# Altium PCB PCB1.PcbDoc (part 1 of 2)
Units mil, origin at the board's own origin, x right, y up, seen from the top; angles counter-clockwise.
Board outline 4595 x 3140.77 mil, 4 copper layers (Top Layer, layer 2, layer 3, Bottom Layer), stack 61.811 mil thick; 97 components, 77 nets, 454 pads, 209 vias.
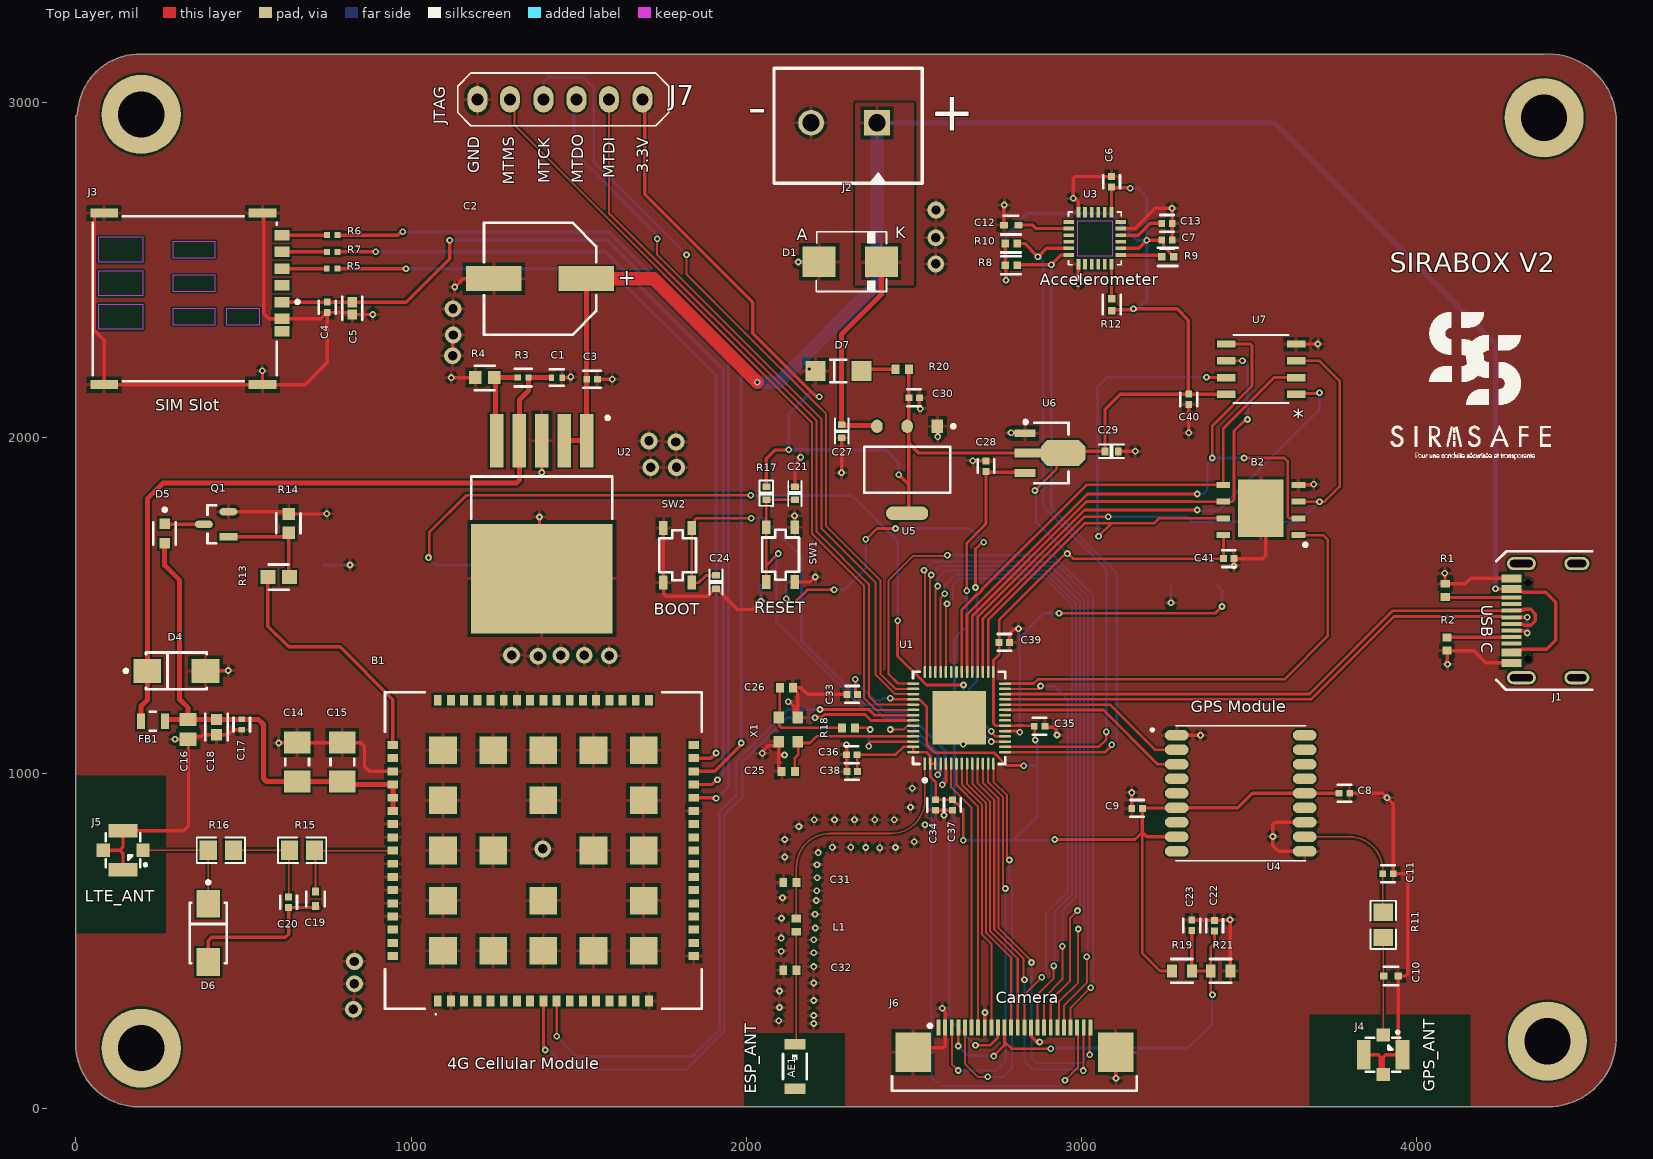
[diagram p0: Top Layer view]
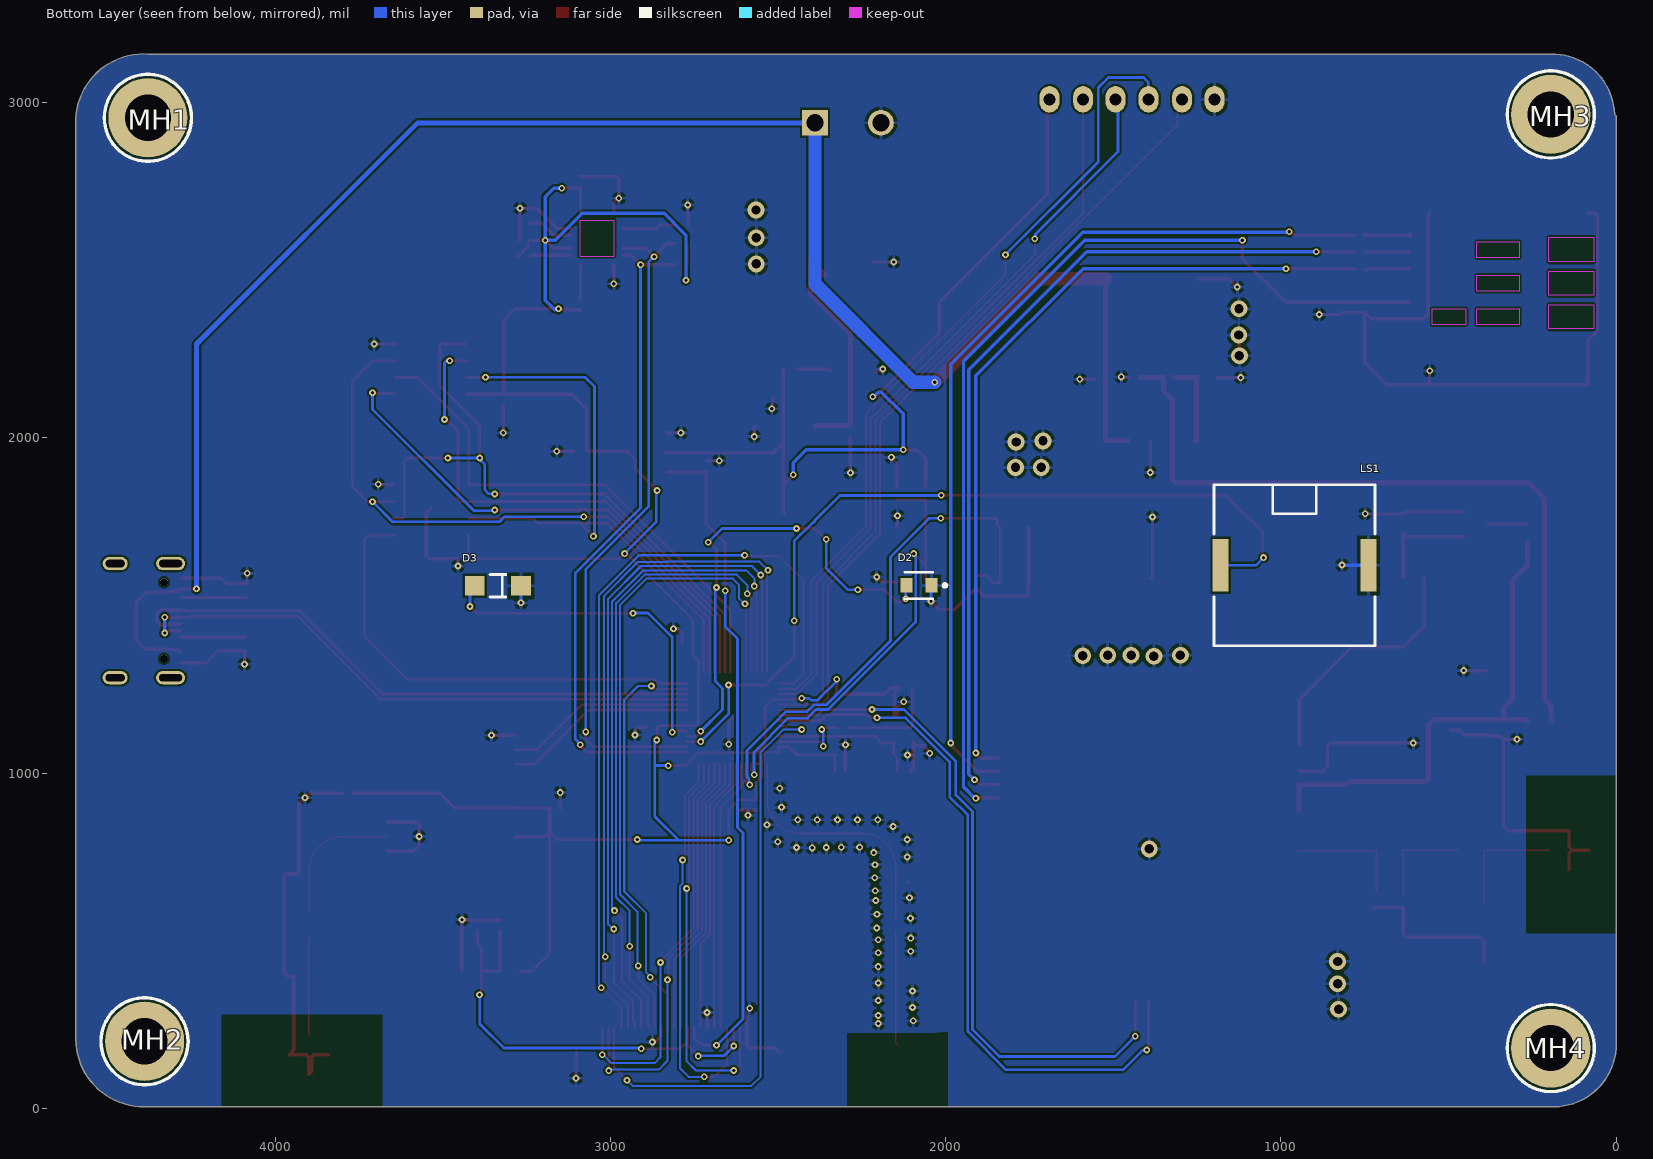
[diagram p1: Bottom Layer view, seen from below]
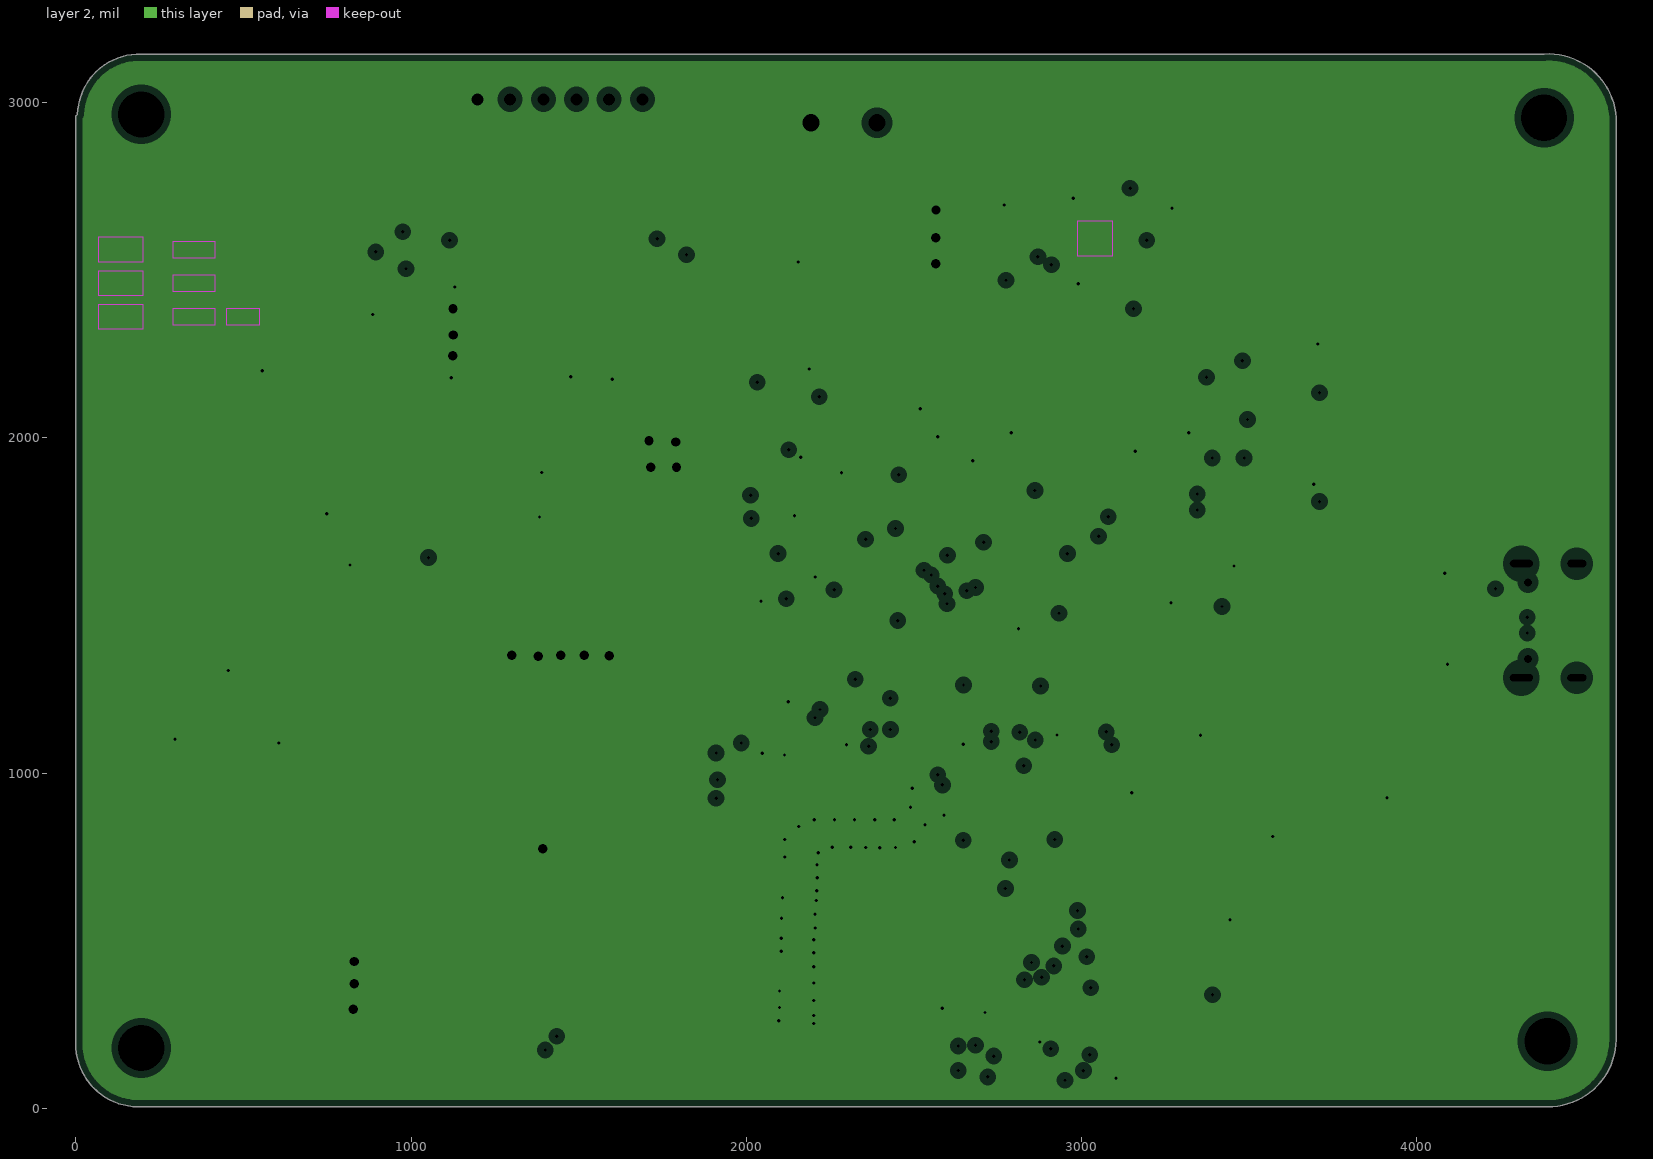
[diagram p2: layer 2, clearances drawn from the general rule]
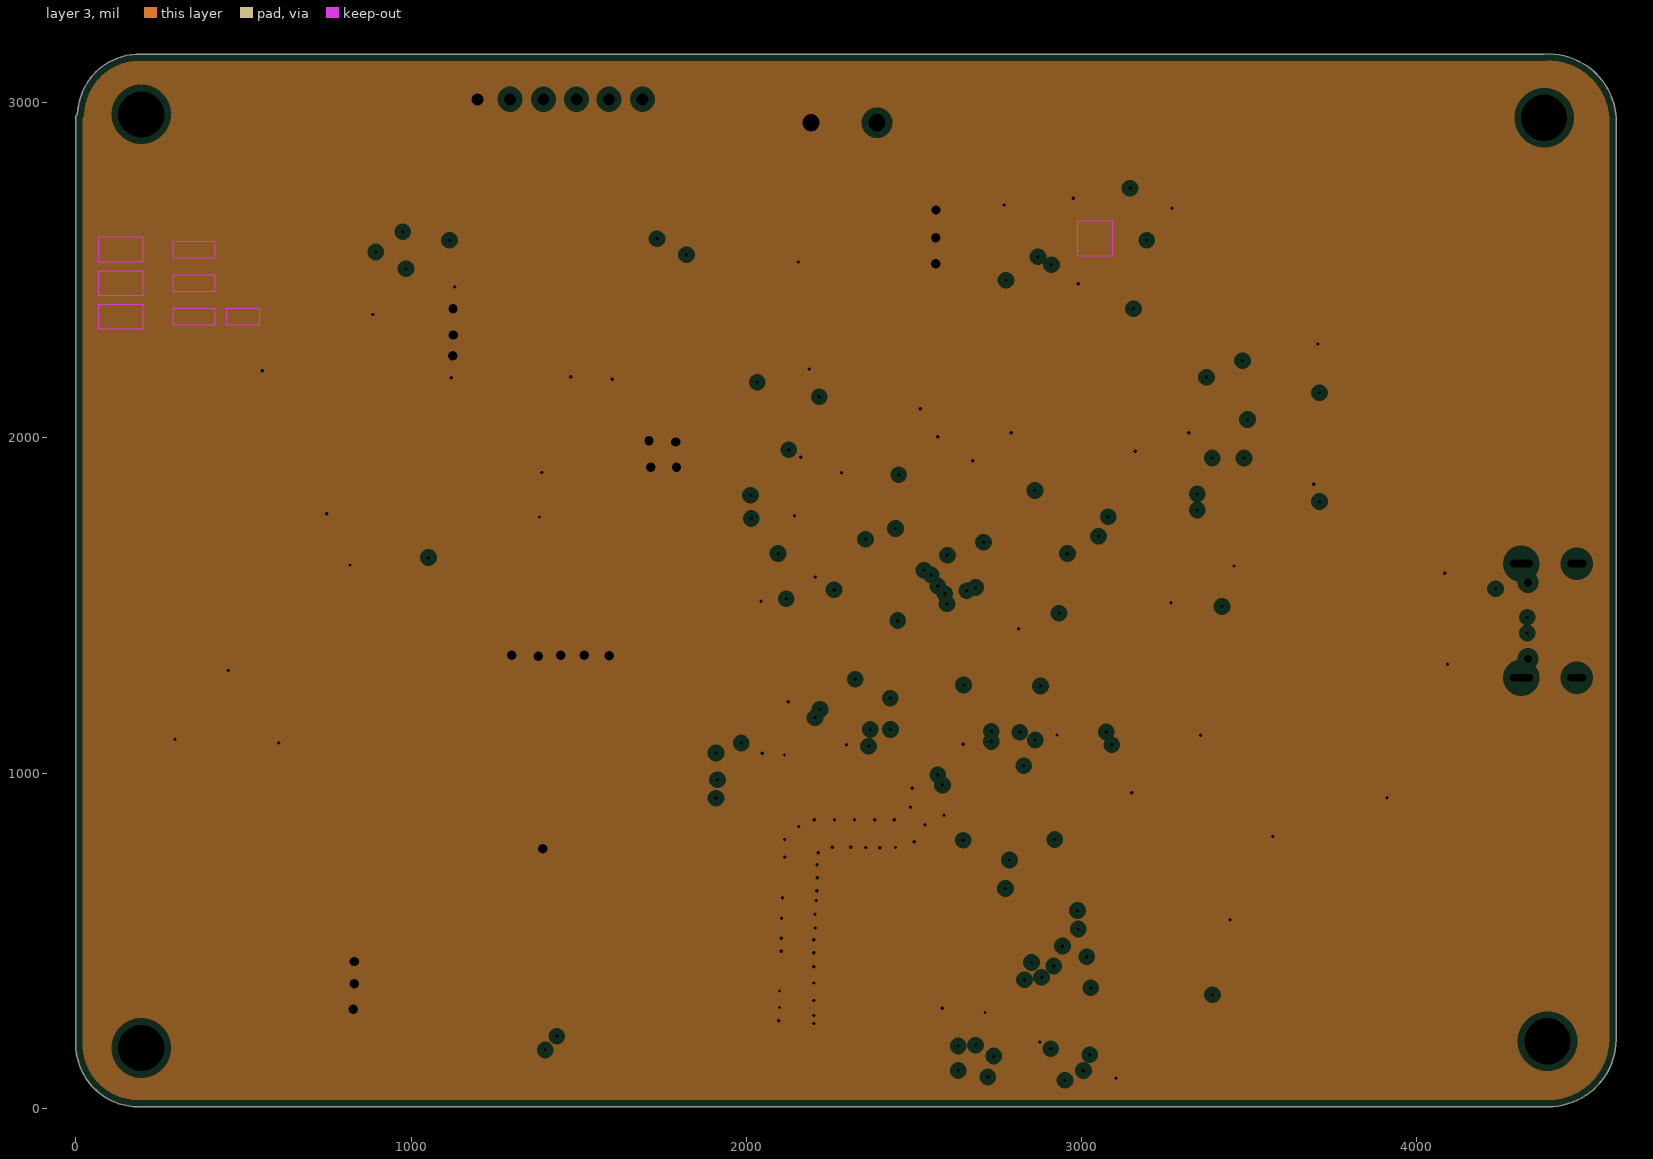
[diagram p3: layer 3, clearances drawn from the general rule]
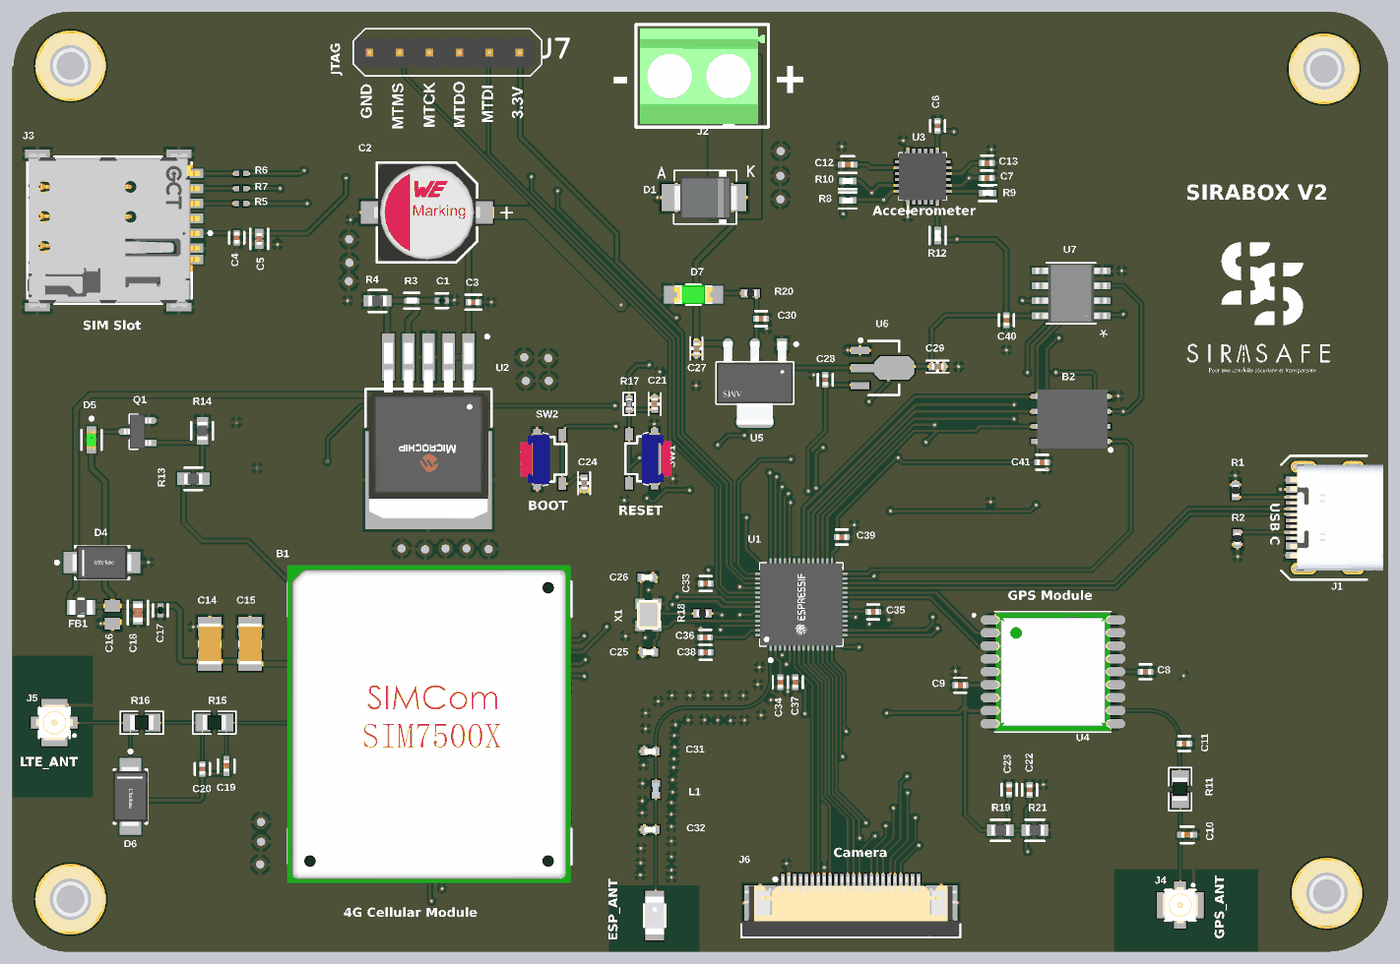
[diagram p5: 3D render of the assembled board from above, using the file's embedded part models]
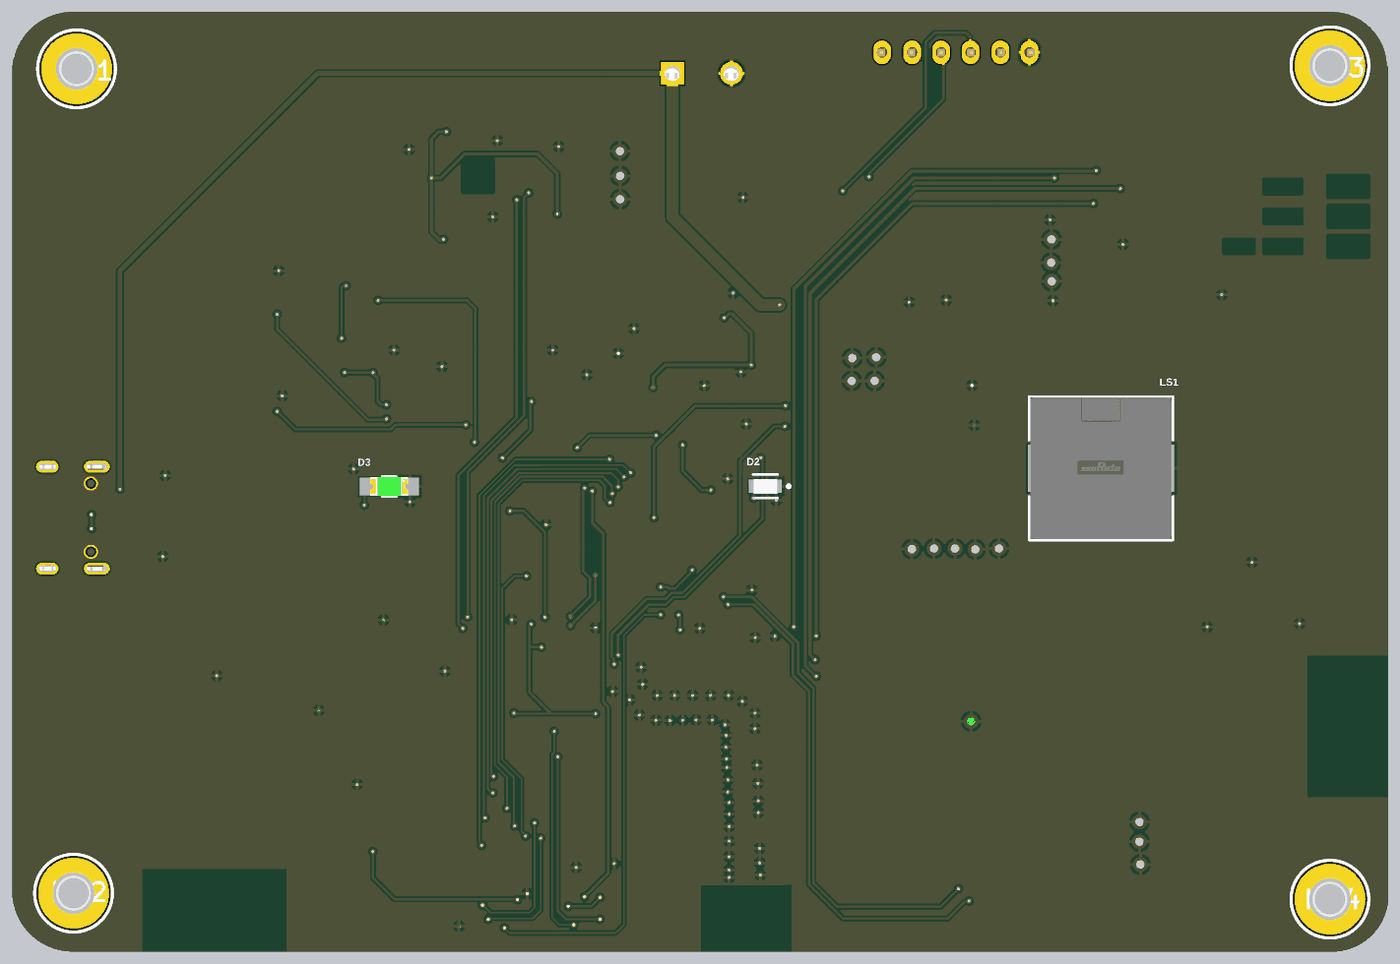
[diagram p6: 3D render of the assembled board from below, using the file's embedded part models]

## Layer stack, top to bottom
Top Solder: solder mask 0.4, Solder Resist, Dk 3.5
Top Layer: signal copper 1.378
Dielectric 2: prepreg 7.874, PP-006, Dk 4.1
layer 2: plane copper 0.689, net GND
Dielectric 1: dielectric 41.9291, FR-4, Dk 4.8
layer 3: plane copper 0.689, net GND
Dielectric 3: prepreg 7.874, PP-006, Dk 4.1
Bottom Layer: signal copper 1.378
Bottom Solder: solder mask 0.4, Solder Resist, Dk 3.5

## Board outline
0,180 0,2960 5,2965 cw(c190,2960) 195,3145 4380,3145 cw(c4392.5,2942.5) 4595,2955 4595,205 cw(c4392.5,207.5) 4390,5 200,5 cw(c187.5,192.5)

## Design rules (kind name [scope] priority, off if disabled: settings)
Clearance [All] p1: gap=6 ignorepadtopadclearanceinfootprint=TRUE
DiffPairsRouting "Schematic Differential Pairs Routing" [InDifferentialPairClass('diff90')] p1: maxlimit=5 minlimit=5 mostfreqgap=5 toplayer_minwidth=9.92 toplayer_maxwidth=9.92 toplayer_prefwidth=9.92 bottomlayer_minwidth=9.92 bottomlayer_maxwidth=9.92 bottomlayer_prefwidth=9.92 impedanceprofiledriven=TRUE impedanceprofileid={D5D17AB1-A73D-4CA1-8BF1-007455BADE51} impedanceprofilevalue=90.000000 maxuncoupledlength=500
DiffPairsRouting [All] p2: maxlimit=10 minlimit=10 mostfreqgap=10 toplayer_minwidth=15 toplayer_maxwidth=15 toplayer_prefwidth=15 bottomlayer_minwidth=15 bottomlayer_maxwidth=15 bottomlayer_prefwidth=15 maxuncoupledlength=500
PlaneClearance [All] p1: clearance=20
PlaneConnect [All] p1: planeconnectstyle=Relief reliefexpansion=20 reliefentries=4 reliefconductorwidth=10 reliefairgap=10
PolygonConnect [All] p1: connectstyle=Relief reliefconductorwidth=10 reliefentries=4 polygonreliefangle="90 Angle" airgapwidth=10
RoutingVias [All] p1: holewidth=10 width=20 viastyle="Through Hole" minholewidth=10 minwidth=20 maxholewidth=10 maxwidth=20
SolderMaskExpansion [All] p1: expansion=4 istentingtop=FALSE
SupplyNets "Schematic Supply Nets_6" [InNet('1.3V')] p1: voltage=0.000
SupplyNets "Schematic Supply Nets_5" [InNet('2.8V')] p2: voltage=0.000
SupplyNets "Schematic Supply Nets_4" [InNet('VBAT')] p3: voltage=0.000
SupplyNets "Schematic Supply Nets_3" [InNet('3.8V')] p4: voltage=0.000
SupplyNets "Schematic Supply Nets_2" [InNet('3.3V')] p5: voltage=0.000
SupplyNets "Schematic Supply Nets_1" [InNet('GND')] p6: voltage=0.000
SupplyNets "Schematic Supply Nets" [InNet('V_IN')] p7: voltage=0.000
Width "Schematic Width Constraint_2" [InNetClass('50ohm_gps')] p1: maxlimit=4.57 minlimit=4.57 preferedwidth=14.54 impedanceprofiledriven=TRUE impedanceprofileid={1C028C2F-23FF-434A-85C8-E172DF934631} impedanceprofilevalue=50.000000 minimp=50.000000 maximp=50.000000 favimp=50.000000
Width "Schematic Width Constraint_1" [InNetClass('50ohm_esp')] p2: maxlimit=4.57 minlimit=4.57 preferedwidth=14.54 impedanceprofiledriven=TRUE impedanceprofileid={34BA7746-D6A4-4A1D-A4BB-D3945B1070C9} impedanceprofilevalue=50.000000 minimp=50.000000 maximp=50.000000 favimp=50.000000
Width "Schematic Width Constraint" [InNetClass('50ohm_gsm')] p3: maxlimit=4.57 minlimit=4.57 preferedwidth=14.54 impedanceprofiledriven=TRUE impedanceprofileid={10E1919B-AEB3-43FA-84FD-27525A665AFD} impedanceprofilevalue=50.000000 minimp=50.000000 maximp=50.000000 favimp=50.000000
Width Width_3 [All] p4: maxlimit=40 minlimit=6 preferedwidth=10
Width Width_2 [InNetClass('50ohm_gsm')] p5: maxlimit=4.57 minlimit=4.57 preferedwidth=14.54 impedanceprofiledriven=TRUE impedanceprofileid={10E1919B-AEB3-43FA-84FD-27525A665AFD} impedanceprofilevalue=50.000000 minimp=50.000000 maximp=50.000000 favimp=50.000000
Width Width_1 [InNetClass('50ohm_gps')] p6: maxlimit=4.57 minlimit=4.57 preferedwidth=14.54 impedanceprofiledriven=TRUE impedanceprofileid={1C028C2F-23FF-434A-85C8-E172DF934631} impedanceprofilevalue=50.000000 minimp=50.000000 maximp=50.000000 favimp=50.000000
Width [InNetClass('50ohm_esp')] p7: maxlimit=4.57 minlimit=4.57 preferedwidth=14.54 impedanceprofiledriven=TRUE impedanceprofileid={34BA7746-D6A4-4A1D-A4BB-D3945B1070C9} impedanceprofilevalue=50.000000 minimp=50.000000 maximp=50.000000 favimp=50.000000 checkconnectedcopper=TRUE
27 further rules are at their usual default settings.

## Classes and differential pairs
net class 50ohm_gsm: NetB1_60 NetC20_1 NetD6_1
net class 50ohm_gps: NetC10_1 NetC11_1
net class 50ohm_esp: ANT NetAE1_1
component class Sheet3: B2 C6 C7 C8 C9 C10 C11 C12 C13 C40 C41 D2 D3 J4 LS1 MH1 MH2 MH3 MH4 R8 R9 R10 R11 R12 U3 U4 U7
component class Sheet2: B1 C1 C2 C3 C4 C5 C14 C15 C16 C17 C18 C19 C20 D4 D5 D6 FB1 J3 J5 Q1 R3 R4 R5 R6 R7 R13 R14 R15 R16 U2
differential pair class diff90: USB
component class Sheet1: AE1 C21 C22 C23 C24 C25 C26 C27 C28 C29 C30 C31 C32 C33 C34 C35 C36 C37 C38 C39 D1 D7 J1 J2 J6 J7 L1 R1 R2 R17 R18 R19 R20 R21 SW1 SW2 U1 U5 U6 X1
differential pair USB: +USB_P -USB_N
